# Altium PCB PCB1.PcbDoc (part 2 of 5)
Units mm, origin at the board's own origin, x right, y up, seen from the top; angles counter-clockwise.
Board outline 50 x 50 mm, 6 copper layers (Top Layer, Int1 (GND), Int2 (Sign), Int3 (Sign), Int4 (Sign), Bottom Layer), stack 1.551 mm thick; 306 components, 209 nets, 1178 pads, 764 vias.
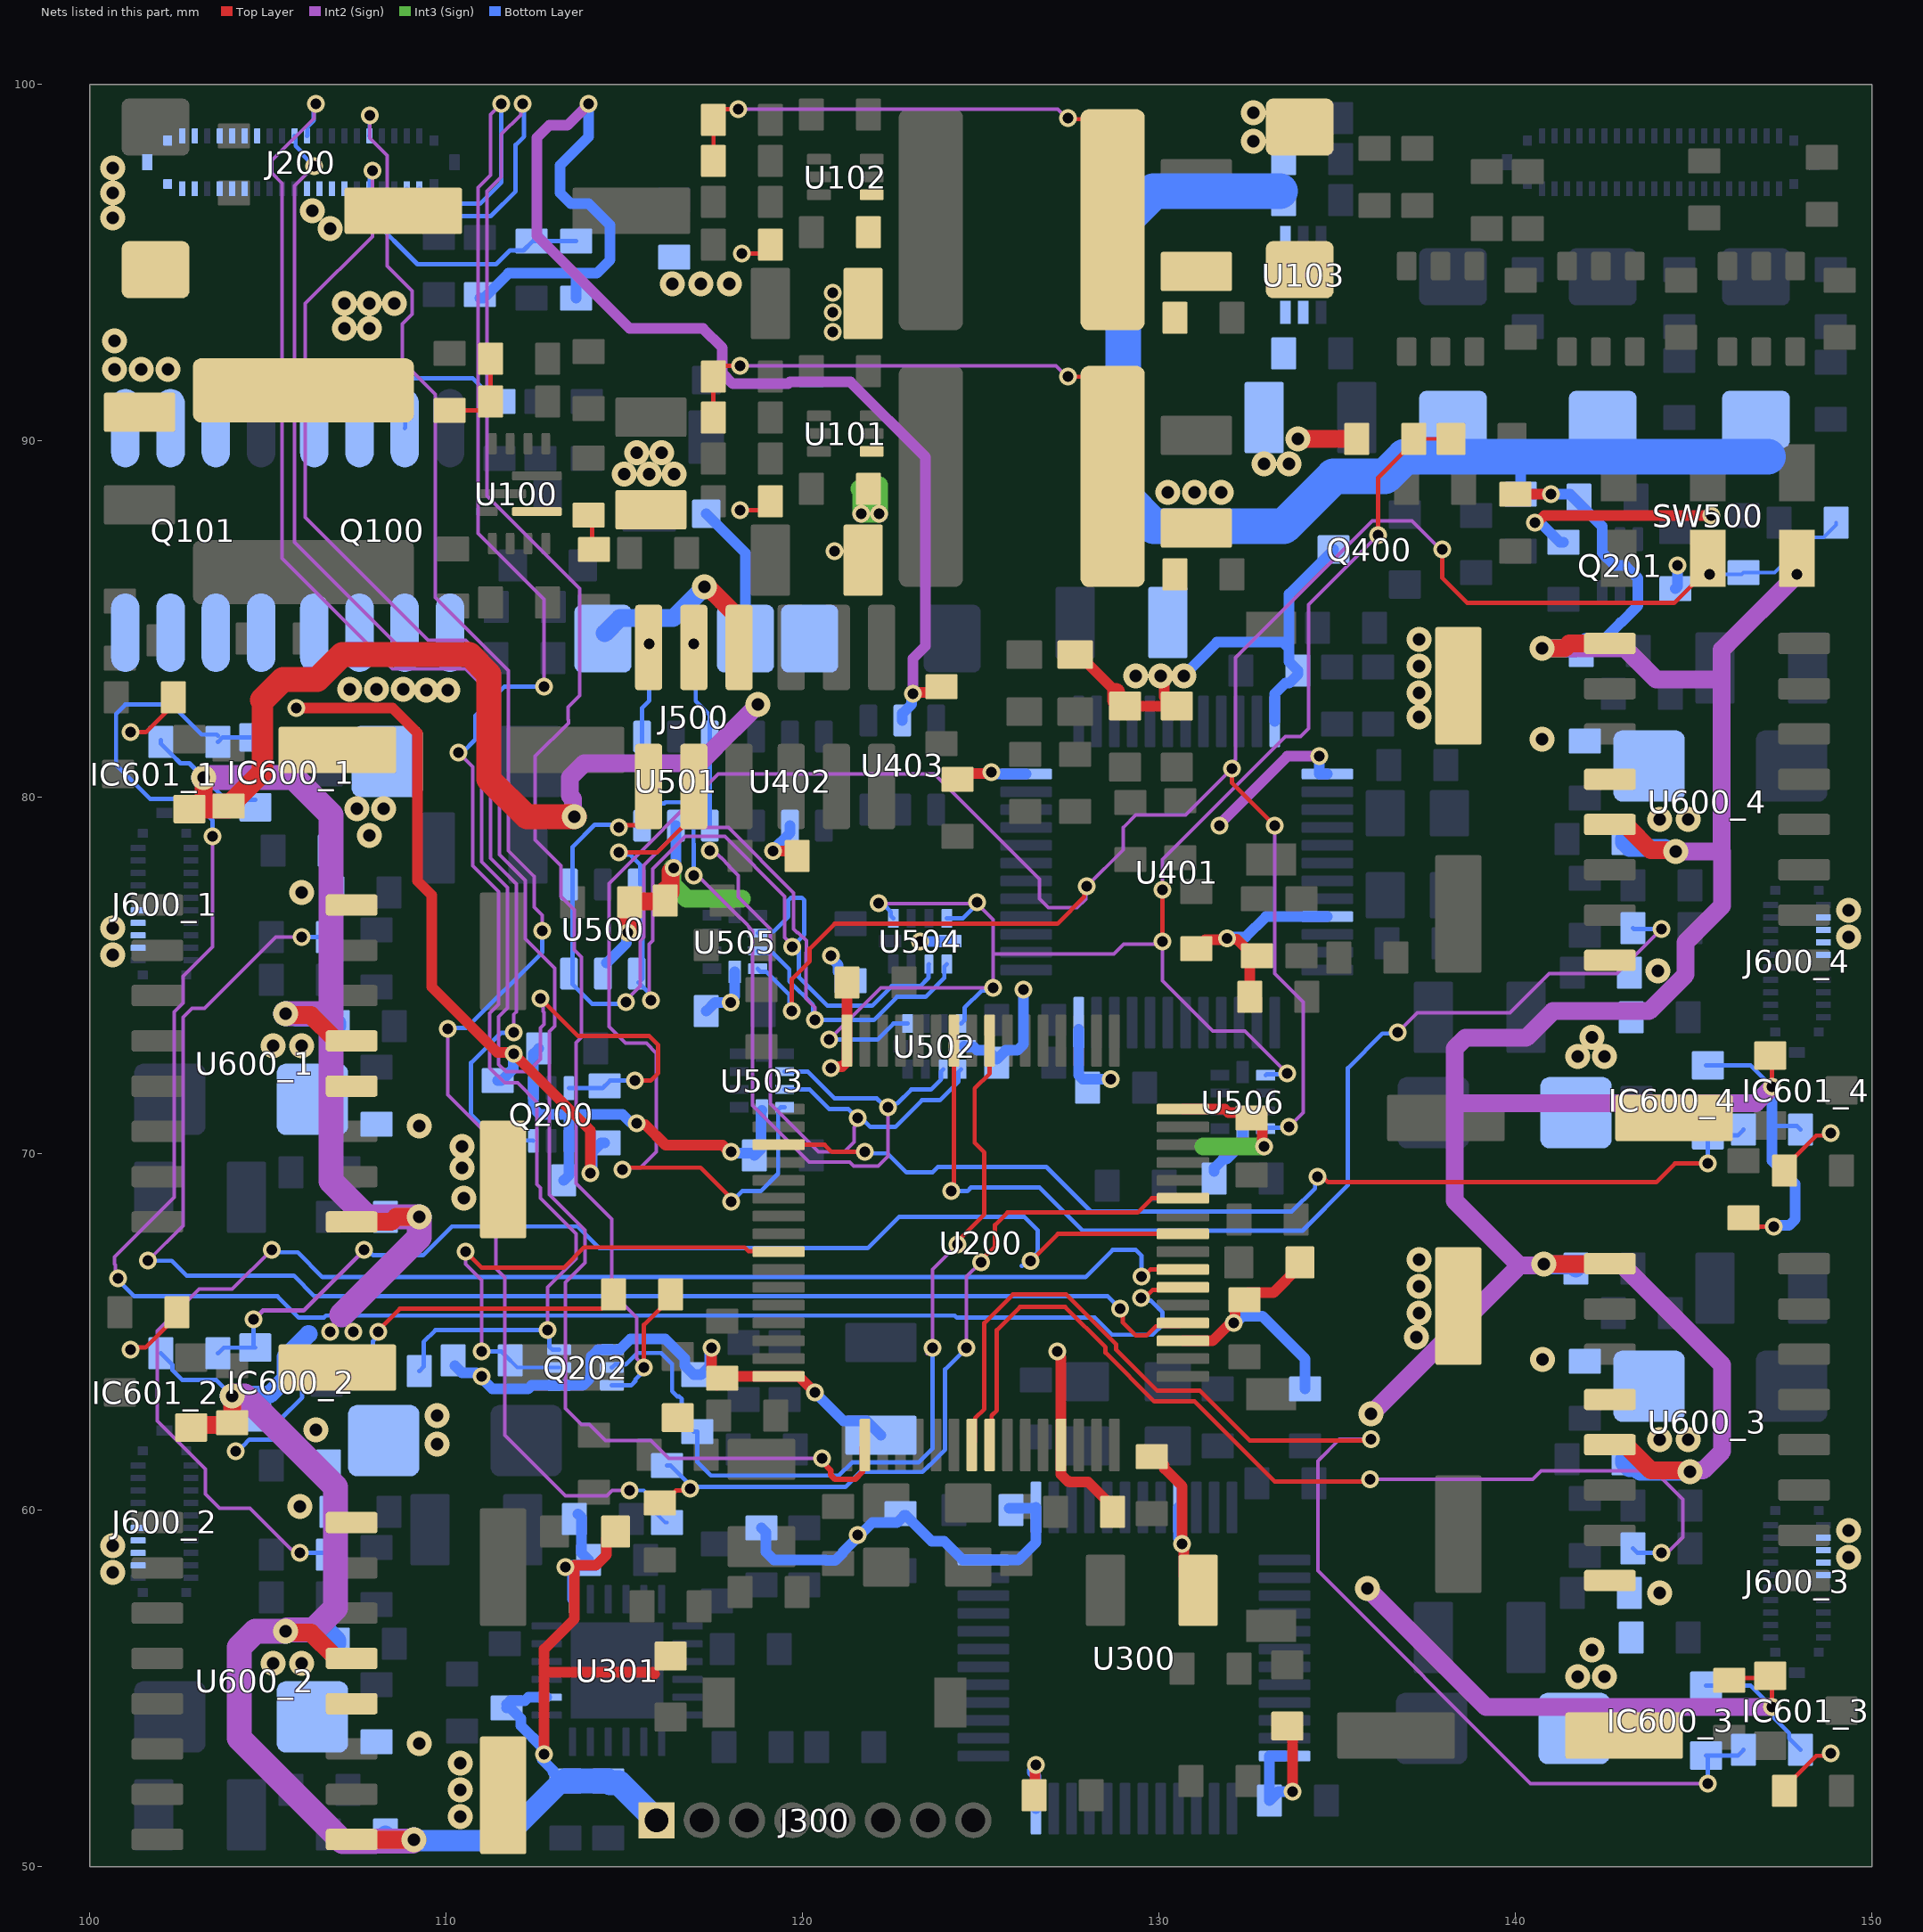
[diagram p6: the nets of this part, all layers, seen from the top]

## Via types
v1: diameter 0.5, hole 0.3, Top Layer to Bottom Layer, tented both sides, 492 vias
v2: diameter 0.7, hole 0.35, Top Layer to Bottom Layer, tented both sides, 270 vias
v3: diameter 0, hole 0.3, Top Layer to Bottom Layer, tented both sides, 2 vias

## Nets (pads, with @x,y where several pads share a name; then routed paths per layer and width w, separated by ;. In a path a pad name is that pad's centre, name@x,y a point inside that pad or via, vN(x,y) a via of type N, cw(c..) or ccw(c..) an arc to the next point about the centre after c; other vN are vias at no path point)
3.3V: C123.2 C124.2 C209.2 C210.2 C211.2 C212.2 C213.2 C214.2 C304.1 C305.2 C306.2 C307.2 C308.2 C310.2 C311.2 C312.2 C313.2 C314.2 C315.2 C403.1 C404.1 C405.2 C406.2 C407.2 C408.2 C409.2 C500.1 C501.1 C503.2 C504.2 C505.2 C506.2 C507.2 C600_1.2 C600_2.2 C600_3.2 C600_4.2 C601_1.2 C601_2.2 C601_3.2 C601_4.2 D203.1 D401.2 D500.2 IC600_1.1 IC600_2.1 IC600_3.1 IC600_4.1 IC601_1.1 IC601_2.1 IC601_3.1 IC601_4.1 J300.1 LED401.1 Q200.1 Q200.4 Q201.1 Q201.4 Q202.1 Q202.4 Q400.3 R202.2 R204.1 R206.1 R210.1 R211.2 R212.1 R213.2 R216.1 R217.2 R311.2 R403.1 R413.2 R502.1 R600_1.2 R600_2.2 R600_3.2 R600_4.2 R605_1.1 R605_2.1 R605_3.1 R605_4.1 SB200.2 SB201.2 SB300.2 SB301.2 SB302.2 SB400.2 SB401.2 SW500.3 U103.2 U103.3 U200.13 U200.19 U200.32 U200.48 U200.64 U300.1 U300.9 U300.24 U300.36 U300.48 U301.8 U301.13 U401.1 U401.9 U401.24 U401.36 U401.48 U402.5 U403.5 U500.5 U501.5 U502.10 U503.10 U504.10 U505.10 U506.10 U600_1.1 U600_1.5 U600_2.1 U600_2.5 U600_3.1 U600_3.5 U600_4.1 U600_4.5 | length 387
  Top Layer w0.12: R605_3.1@146,55.225 146.065,55.29 147.085,55.29 IC601_3.1@147.15,55.355 147.2,55.305 v1(147.2,54.475) ; R605_4.1@146.4,68.25 146.7,67.95 v1(147.25,67.95) ; IC601_4.1@147.085,72.69 IC601_4.1@147.15,72.755 147.2,72.705 v1(147.2,71.875)
  Top Layer w0.3: v1(112.75,53.15) 112.75,55.45 ; v1(113.35,58.4) 113.388,58.438 113.588,58.438 113.6,58.45 ; SB300.2@114.757,59.45 114.501,59.194 114.501,58.751 114.2,58.45 113.6,58.45 ; v1(115.35,70.85) 115.388,70.812 115.588,70.812 116.16,70.24 117.756,70.24 117.946,70.05 v1(118,70.05) ; 115.85,55.4 115.8,55.45 112.75,55.45 ; v1(117.45,64.55) 117.45,63.95 117.7,63.7 C213.2@117.75,63.7 ; C213.2@117.6,63.5 C213.2@117.775,63.675 ; C213.2@117.8,63.75 U200.64@119.33,63.75 119.915,63.75 119.915,63.735 v1(120.35,63.3) ; v1(119.168,78.487) 119.713,78.487 C404.1@119.85,78.35 ; v1(120.793,72.407) 120.831,72.446 121.111,72.446 121.25,72.585 121.25,74.65 C209.2@121.3,74.7 ; v1(123.1,82.9) 123.138,82.938 123.738,82.938 C403.1@123.9,83.1 ; C406.2@124.4,80.5 124.562,80.662 125.262,80.662 v1(125.3,80.7) ; C312.2@126.5,51.9 126.525,51.925 126.525,52.825 v1(126.55,52.85) ; v1(127.15,64.45) 127.15,64.396 127.25,64.296 127.25,61 127.45,60.8 127.493,60.8 127.498,60.795 128.005,60.795 128.7,60.1 C211.2@128.7,60 ; LED401.1@127.65,84 127.75,84 128,83.75 128.65,83.1 SB401.2@128.792,82.958 ; SB401.2@129.05,82.557 SB400.2@130.5,82.557 130.398,82.557 130.142,82.814 130.142,83.2 130.05,83.292 v2(130.05,83.4) ; C314.2@129.8,61.5 129.9,61.5 130.15,61.25 130.15,61.172 130.65,60.672 v1(130.65,59.05) 130.65,58.996 130.7,58.946 130.7,58.15 C315.2@131.1,57.75 ; U200.19@130.67,64.75 131.5,64.75 v1@132,65.25 ; U200.32@130.67,71.25 131.85,71.25 131.942,71.158 132.442,71.158 C210.2@132.6,71 132.65,71 132.9,70.75 132.9,70.304 132.95,70.254 v1(132.95,70.2) ; R413.2@131.05,75.75 131.3,76 131.807,76 131.849,76.042 v1(131.903,76.042) 131.934,76.012 132.188,76.012 132.55,75.65 R403.1@132.55,74.4 ; v1(132.1,65.25) 132.138,65.288 132.138,65.738 132.3,65.9 132.5,66.1 133.209,66.1 133.957,66.848 SB200.2@133.957,66.95 ; SB301.2@133.6,53.943 133.75,53.793 v1(133.75,52.1) ; R210.1@140,88.5 v1(141,88.5) ; 112.75,55.45 112.75,56.1 113.6,56.95 113.6,58.45
  Top Layer w0.5: IC601_2.1@102.85,62.32 102.915,62.385 103.935,62.385 R605_2.1@104,62.45 v2(104,63.2) ; IC601_1.1@103.2,79.75 v2(103.2,80.55) ; v2(105.5,56.6) 105.538,56.562 106.203,56.562 106.875,55.89 107.3,55.89 U600_2.5@107.35,55.84 ; v2(105.5,73.925) 105.538,73.887 106.203,73.887 106.875,73.215 107.3,73.215 U600_1.5@107.35,73.165 ; U600_2.1@107.35,50.76 107.355,50.755 109.095,50.755 v2(109.1,50.75) ; U600_1.1@107.35,68.085 108.456,68.085 108.596,68.225 v2(109.25,68.225) ; v1(115.1,76.2) 115.1,77 115.175,77.075 116.125,77.075 C501.1@116.15,77.1 C501.1@116.15,77.4 ; C501.1@116.17,77.202 116.3,77.332 116.3,77.923 v1(116.389,78.011) ; SB401.2@128.792,82.958 128.792,82.714 128.948,82.557 SB401.2@129.05,82.557 ; v2(133.9,90.05) R502.1@135.55,90.05 ; v2(140.75,84.175) 141.375,84.175 141.515,84.315 U600_4.1@142.65,84.315 ; v2(140.8,66.9) 140.808,66.908 142.643,66.908 U600_3.1@142.65,66.915 ; U600_3.5@142.65,61.835 143.075,61.835 143.8,61.11 144.865,61.11 v2(144.9,61.075) ; U600_4.5@142.65,79.235 142.7,79.185 143.125,79.185 143.797,78.513 144.462,78.513 v2(144.5,78.475)
  Top Layer w0.6: R605_1.1@103.9,79.75 104,79.75 104.05,79.8 104.05,79.9 104.85,80.7 104.85,82.728
  Top Layer w0.7: IC601_1.1@103.2,79.75 R605_1.1@103.9,79.75 ; 104.85,82.728 104.85,82.73 105.42,83.3 106.387,83.3 107.087,84 110.657,84 111.2,83.457 111.2,80.506 112.256,79.45 v2(113.6,79.45)
  Int2 (Sign) w0.3: v1(114,99.45) 113.4,98.85 112.893,98.85 112.55,98.507 112.55,95.75 115.15,93.15 117.207,93.15 117.75,92.607 117.75,91.893 118.043,91.6 119.593,91.6 119.643,91.65 121.342,91.65 123.45,89.542 123.45,84.243 123.1,83.893 v1(123.1,82.9) ; v1(131.7,79.2) 131.7,79.25 133.6,81.15 v1(134.5,81.15)
  Int2 (Sign) w0.5: v2(113.6,79.45) 113.562,79.488 113.562,79.954 113.475,80.041 113.475,80.559 113.866,80.95 117.1,80.95 118.071,81.921 118.076,81.921 118.75,82.595 v2(118.75,82.6) ; v2(135.85,57.8) 139.175,54.475 v1(147.2,54.475) ; v2(135.95,62.7) 140.025,66.775 ; v2(140.75,84.175) 143.075,84.175 143.95,83.3 145.79,83.3 ; v2(144.5,78.475) 145.8,78.475 145.8,76.959 144.775,75.934 144.775,75.025 143.75,74 141.05,74 140.3,73.25 138.593,73.25 138.3,72.957 138.3,71.45 ; v2(144.9,61.075) 144.938,61.113 145.263,61.113 145.8,61.65 145.8,64.075 142.975,66.9 v2(140.8,66.9) 140.762,66.862 140.112,66.862 138.3,68.673 138.3,71.45 ; 145.79,78.475 145.79,83.3 ; v1(147.2,71.875) 146.744,71.419 138.331,71.419 138.3,71.45 ; v1(147.9,86.25) 145.79,84.14 145.79,83.3
  Int2 (Sign) w0.7: v2(103.2,80.55) 105.725,80.55 106.775,79.5 106.775,73.925 ; v2(104,63.2) 104.35,63.2 106.9,60.65 106.9,57.25 106.288,56.638 105.538,56.638 v2(105.5,56.6) 104.65,56.6 104.2,56.15 104.2,53.6 107.1,50.7 107.996,50.7 108.008,50.712 109.062,50.712 v2(109.1,50.75) ; v2(105.5,73.925) 106.775,73.925 ; 107.072,65.475 109.25,67.652 v2(109.25,68.225) 107.775,68.225 106.775,69.225 106.775,73.925
  Int3 (Sign) w0.3: 131.2,70.15 131.25,70.2
  Int3 (Sign) w0.5: v1(116.389,78.011) 116.35,78.011 116.35,77.551 116.751,77.15 118.298,77.15 ; 131.25,70.2 v1(132.95,70.2)
  Bottom Layer w0.12: R600_2.2@102,64.4 102.32,64.08 102.32,63.93 102.6,63.65 103.55,63.65 v2(104,63.2) ; R600_1.2@102,81.6 102,81.5 102.29,81.21 102.546,80.954 102.796,80.954 v2(103.2,80.55) 103.825,79.925 IC600_1.1@104.65,79.925 ; IC600_3.1@145.35,55.075 146.6,55.075 v1(147.2,54.475) 147.261,54.414 147.261,54.164 147.68,53.745 147.68,53.595 R600_3.2@148,53.275 ; IC600_4.1@145.35,72.475 146.6,72.475 v1(147.2,71.875) 147.261,71.814 147.261,71.564 ; 147.2,70.775 147.9,70.775 R600_4.2@148,70.675
  Bottom Layer w0.2: 114.015,63.676 114.015,64.245 114.075,64.305
  Bottom Layer w0.3: R216.1@110.25,64.05 110.45,63.85 110.846,63.85 110.946,63.75 v1(111,63.75) 111,63.699 111.299,63.4 112.301,63.4 112.401,63.5 Q202.1@113.17,63.5 ; R206.1@110.95,94 111.05,94 111.75,94.7 113.65,94.7 ; C304.1@111.7,54.45 111.8,54.45 112.1,54.15 112.1,53.95 v1@112.708,53.342 ; C304.1@111.7,54.55 111.8,54.65 112.207,54.65 112.307,54.75 U301.8@112.825,54.75 ; R202.2@112.6,72.95 112.45,72.8 Q200.1@112.45,71.84 112.45,71.276 112.626,71.1 113.45,71.1 ; v1@112.7,53 113,52.7 113,52.65 C308.2@113.25,52.4 ; R204.1@113.3,69.25 113.45,69.4 Q200.4@113.45,70.36 113.45,71.1 ; Q202.1@113.31,63.5 113.839,63.5 114.015,63.676 ; v1(113.35,58.4) 113.388,58.438 113.538,58.438 v1@113.55,58.45 ; U301.13@113.55,57.5 v1@113.55,58.45 ; R212.1@113.65,94 113.65,94.7 ; C305.2@113.7,59.893 113.8,59.793 113.8,58.8 C306.2@114,58.6 ; v1(114,99.45) 114,98.533 113.2,97.733 113.2,96.95 113.5,96.65 114,96.65 114.6,96.05 114.6,95.076 114.224,94.7 113.65,94.7 ; 114.075,64.305 114.075,64.312 114.263,64.5 Q202.4@114.65,64.5 ; U500.5@114.5,75.35 115.062,75.912 115.062,76.162 v1(115.1,76.2) ; Q202.4@114.79,64.5 114.867,64.5 115.167,64.8 116.15,64.8 116.7,64.25 116.7,64.05 116.95,63.8 117.15,63.8 117.4,64.05 117.4,64.446 117.45,64.496 v1(117.45,64.55) ; v1(115.35,70.85) 115.312,70.888 115.163,70.888 114.951,71.1 113.45,71.1 ; v1(116.389,78.011) 116.389,78.066 116.45,78.127 U501.5@116.45,79.2 ; C506.2@117.3,74 117.545,74.245 v1(117.989,74.245) ; D203.1@117.3,87.95 118.4,86.85 D500.2@118.4,84.45 ; v1(118,70.05) 118.038,70.012 118.588,70.012 C504.2@118.65,69.95 118.835,70.135 118.835,71.185 U503.10@118.86,71.21 ; v1@118,74.226 118,74.31 118.1,74.41 U505.10@118.1,75.1 ; R311.2@118.85,59.5 118.974,59.376 118.974,58.826 119.2,58.6 120.651,58.6 120.663,58.588 120.912,58.588 121.136,58.812 121.136,58.832 121.55,59.246 v1(121.55,59.3) 121.604,59.3 121.954,59.65 122.65,59.65 122.85,59.85 122.9,59.85 123.625,59.125 123.975,59.125 124.5,58.6 126.05,58.6 126.55,59.1 U300.1@126.55,60.05 ; v1(119.168,78.487) 119.168,78.518 119.65,79 U402.5@119.65,79.2 ; v1(120.35,63.3) 121.15,62.5 121.8,62.5 C214.2@122.2,62.1 ; v1(120.8,75.55) 120.8,75.496 121,75.296 121,75.1 121.25,74.85 C505.2@121.35,74.85 ; U403.5@122.8,82.15 122.8,82.35 123.062,82.612 123.062,82.862 v1(123.1,82.9) ; v1(123.3,75.95) 123.305,75.955 124.135,75.955 U504.10@124.14,75.96 ; U502.10@124.54,73.01 124.565,72.985 124.815,72.985 124.9,72.9 125.2,72.9 125.45,72.65 125.7,72.9 126.024,72.9 126.2,73.076 v1(126.2,74.6) ; v1(125.3,80.7) 125.354,80.7 125.404,80.65 U401.36@126.275,80.65 ; C310.2@125.8,60.05 U300.1@126.55,60.05 ; v1@126.45,52.7 126.45,52.646 126.55,52.546 U300.36@126.55,51.625 ; U300.1@126.55,60.075 U300.1@126.55,60.05 ; U401.24@127.75,73.492 127.75,72.2 127.865,72.085 v1(128.65,72.085) ; U300.9@130.55,60.075 130.55,59.204 130.65,59.104 v1(130.65,59.05) ; v2(130.7,83.4) 130.7,83.424 131.626,84.35 133.474,84.35 133.65,84.174 ; C507.2@131.55,69.5 131.55,69.6 131.8,69.85 131.9,69.85 132.325,70.275 ; v1(131.903,76.042) 131.941,76.081 132.431,76.081 133,76.65 U401.9@134.725,76.65 ; v1@132.054,65.25 v1(132.1,65.25) 132.154,65.25 132.344,65.44 132.901,65.44 134.1,64.241 R213.2@134.1,63.4 ; U506.10@132.35,70.61 132.35,70.238 132.912,70.238 v1(132.95,70.2) ; U401.48@133.25,82.125 133.25,82.907 133.543,83.2 133.65,83.2 133.9,83.45 C407.2@133.9,83.55 133.65,83.8 133.65,84.174 ; U300.24@133.525,53.1 133.1,53.1 C313.2@133.1,51.85 133.35,52.1 v1(133.75,52.1) ; v1(134.5,81.15) 134.5,80.65 U401.1@134.725,80.65 ; Q400.3@134.9,86.95 133.65,85.7 133.65,84.174 ; v1(141,88.5) 141.534,88.5 142.434,87.6 Q201.4@142.434,87.24 142.434,86.853 142.787,86.5 143.082,86.5 143.434,86.147 143.434,85.373 142.962,84.9 142.949,84.9 142.499,84.45 141.95,84.45 C601_4.2@141.7,84.2 ; v1(147.2,71.875) 147.2,70.775 147.2,69.8 147.85,69.15 147.85,68.164 147.674,67.988 147.288,67.988 v1(147.25,67.95) ; v1@113.55,58.45 C306.2@113.85,58.45 ; C306.2@113.85,58.45 C306.2@114,58.6 ; C306.2@113.85,58.45 C306.2@114,58.6
  Bottom Layer w0.5: v2(104,63.2) 104.038,63.238 105.038,63.238 105.5,63.7 105.5,64.3 106.14,64.94 106.15,64.94 ; v2(105.5,56.6) 106.7,56.6 106.95,56.35 C600_2.2@106.95,56.25 ; v2(105.5,73.925) 105.538,73.887 105.729,73.887 105.8,73.816 106.8,73.816 106.95,73.666 C600_1.2@106.95,73.575 ; C601_2.2@108.3,50.9 108.412,50.788 109.062,50.788 v2(109.1,50.75) ; C601_1.2@108.3,68.225 v2(109.25,68.225) ; v2(140.75,84.175) C601_4.2@141.7,84.175 ; v2(140.8,66.9) 140.838,66.862 141.613,66.862 C601_3.2@141.7,66.775 ; C600_3.2@143.05,61.425 143.05,61.325 143.2,61.175 143.393,61.175 143.493,61.075 v2(144.9,61.075) ; C600_4.2@143.05,78.825 143.05,78.734 143.2,78.584 v2@144.2,78.584
  Bottom Layer w0.6: v2(109.1,50.75) 109.127,50.75 109.152,50.725 111.575,50.725 113.25,52.4 C308.2@113.35,52.4
  Bottom Layer w0.7: C308.2@113.35,52.4 C307.2@114.55,52.4 114.6,52.35 114.85,52.35 J300.1@115.9,51.3
  other v1: 106.75,65 107.4,65
  other v2: 129.35,83.4 132.95,89.35 133.65,89.35
5V: C103.2 C104.2 C105.2 D200.1 J200.27 J200.28 J200.29 J200.30 J600_1.2 J600_1.3 J600_1.4 J600_1.5 J600_2.2 J600_2.3 J600_2.4 J600_2.5 J600_3.2 J600_3.3 J600_3.4 J600_3.5 J600_4.2 J600_4.3 J600_4.4 J600_4.5 L100.2 R101.2 R201.2 R203.1 R214.1 R215.2 R220.1 R221.2 R604_1.1 R604_2.1 R604_3.1 R604_4.1 | length 51.2
  Top Layer w0.12: v1(101.15,64.5) 101.215,64.565 101.565,64.565 102.45,65.45 R604_2.1@102.45,65.55 ; v1(101.15,81.825) 101.575,81.825 102.16,82.41 102.45,82.7 R604_1.1@102.45,82.875 ; L100.2@105.996,91.414 L100.2@106.528,91.946 ; v1(108.1,65) 108.1,65.05 108.7,65.65 114.36,65.65 114.7,65.99 R220.1@114.7,66.05 ; C104.2@110.1,90.85 111.182,90.85 111.246,90.914 111.246,92.064 C103.2@111.146,92.164 ; R604_3.1@147.55,52.125 147.55,52.225 148.435,53.11 148.785,53.11 v1(148.85,53.175) ; R604_4.1@147.55,69.525 147.55,69.625 148.435,70.51 148.785,70.51 v1(148.85,70.575)
  Top Layer w0.3: v1(105.8,82.5) 106.5,82.5 108.499,82.5 109.2,81.799 109.2,77.65 109.6,77.25 109.6,74.676 111.438,72.838 111.862,72.838 114.05,70.65 v1(114.05,69.45) ; v1(140.55,87.7) 140.604,87.7 140.804,87.9 v1(145.5,87.9)
  Bottom Layer w0.12: 104.3,61.8 104.48,61.98 105.154,61.98 105.334,62.161 105.334,62.534 105.96,63.16 105.96,64.014 106.246,64.3 R221.2@107.81,64.3 ; R221.2@107.65,63.9 107.99,64.24 107.95,64.28 107.95,64.747 108.1,64.897 v1(108.1,65)
  Bottom Layer w0.3: R201.2@111.45,72.05 111.55,72.05 111.884,72.384 111.884,72.784 v1(111.9,72.8) ; v1(114.05,69.45) 114.05,69.504 114.1,69.554 114.1,70.05 114.35,70.3 R203.1@114.45,70.3 ; v1(140.55,87.7) 140.588,87.662 140.738,87.662 141.25,87.15 R215.2@141.35,87.15 ; R214.1@144.484,85.85 144.55,85.916 v1(144.55,86.5)
  other v1: 104.1,61.65
  other v2: 100.65,58.25 149.35,58.675 100.65,59 149.35,59.425 100.65,75.575 149.35,76.075 100.65,76.325 149.35,76.825 100.7,92 101.45,92 102.2,92 100.7,92.8 106.75,95.95 106.25,96.453
5V_mcu: C118.2 C119.2 C120.2 D100.1 L102.2 R114.2 | length 12.6
  Top Layer w0.12: C118.2@117.5,97.849 R114.2@117.5,98.999 117.801,99.3 v1(118.2,99.3) ; v1(127.45,99.05) 127.478,99.022 128.678,99.022 L102.2@128.7,99
  Int2 (Sign) w0.1: v1(118.2,99.3) 127.165,99.3 127.415,99.05 v1(127.45,99.05)
5V_mot: C112.2 C113.2 C114.2 C602_1.2 C602_2.2 C602_3.2 C602_4.2 C604_1.2 C604_2.2 C604_3.2 C604_4.2 D600_1.2 D600_2.2 D600_3.2 D600_4.2 L101.2 R108.2 U600_1.4 U600_2.4 U600_3.4 U600_4.4 | length 14.9
  Top Layer w0.12: C112.2@117.5,90.65 R108.2@117.5,91.8 117.8,92.1 v1(118.25,92.1) ; v1(127.45,91.8) 127.452,91.797 127.891,91.797 128.7,90.989 L101.2@128.7,89
  Int2 (Sign) w0.1: v1(118.25,92.1) 127.115,92.1 127.415,91.8 v1(127.45,91.8)
  other v2: 110.4,51.4 110.4,52.15 110.4,52.9 109.25,53.45 105.15,55.7 105.95,55.7 144.05,61.975 144.85,61.975 140.76,64.225 137.221,64.854 137.3,65.525 137.3,66.275 137.3,67.025 110.5,68.75 110.45,69.6 110.45,70.2 109.25,70.775 105.15,73.025 105.95,73.025 144.05,79.375 144.85,79.375 140.75,81.625 137.3,82.25 137.3,82.925 137.3,83.675 137.3,84.425 130.25,88.55 131,88.55 131.75,88.55
5V_USB: C121.2 C122.2 D100.2 D201.2 D300.2 D400.2 R117.1 R400.2 U103.4 | length 32.7
  Bottom Layer w0.3: R400.2@140.15,88.5 140.15,89.55
  Bottom Layer w1: C122.2@133.4,97 129.85,97 129,96.15 129,88.456 129.856,87.6 133.5,87.6 134.9,89 136.337,89 136.887,89.55 140.15,89.55 147.083,89.55
  other v2: 132.65,98.4 132.65,99.2
12V: C101.2 C102.2 C110.2 C111.2 C603_1.2 C603_2.2 C603_3.2 C603_4.2 C605_1.1 C605_2.1 C605_3.1 C605_4.1 D601_1.2 D601_2.2 D601_3.2 D601_4.2 J200.4 J200.5 J200.6 J200.7 J200.35 J200.36 J200.37 Q100.D Q101.D R100.1 R107.1 R601_1.2 R601_2.2 R601_3.2 R601_4.2 U100.1 U101.1 U600_1.8 U600_2.8 U600_3.8 U600_4.8 | length 4.1
  Top Layer w0.12: C101.2@113.996,87.914 114.096,87.814 R100.1@114.096,86.964 ; R100.1@114.05,86.95 R100.1@114.15,86.85 ; v1(118.25,88.05) 118.85,88.05 R107.1@119.1,88.3
  Int3 (Sign) w0.5: 121.6,88.65 121.65,88.6 v1(121.65,87.95) v1(122.15,87.95) 122.15,88.75
  other v1: 120.9,86.9
  other v2: 141.75,55.325 142.5,55.325 142.15,56.075 144.05,57.675 105.9,60.1 109.75,61.85 106.35,62.25 109.75,62.65 141.75,72.725 142.5,72.725 142.15,73.272 143.996,75.129 105.95,77.325 107.85,78.925 107.5,79.675 108.25,79.675 109.45,83 110.05,83 107.3,83.025 108.05,83.025 108.8,83.025 114.996,89.064 115.696,89.064 116.396,89.064 115.346,89.664 116.046,89.664 107.15,93.15 107.85,93.15 107.15,93.85 107.85,93.85 108.55,93.85
12V_in: C107.2 C108.2 C116.2 C117.2 J200.1 J200.2 J200.39 J200.40 J200.MP3 J200.MP4 J200.MP6 Q100.S Q101.S R109.2 R113.1 U102.1 | length 5.1
  Top Layer w0.12: v1(118.3,95.25) 118.851,95.25 R113.1@119.1,95.499
  Bottom Layer w0.12: Q100.S@108.839,90.356 108.852,90.369 108.852,91.602 109,91.75 110.75,91.75 111.4,91.1 R109.2@111.5,91.1
  other v1: 120.85,93.05 120.85,93.6 120.85,94.15
  other v2: 116.35,94.4 117.15,94.4 117.95,94.4 100.65,96.25 100.65,96.95 100.65,97.65
Angle_3.3V: R208.1 R209.1 U200.27 | length 22
  Top Layer w0.12: R209.1@116,60.2 116.1,60.2 116.45,60.55 116.8,60.55 v1(116.85,60.6) ; v1(125.004,66.952) 125.004,67.004 125.4,67.4 125.4,68 125.75,68.35 129.4,68.35 129.8,68.75 U200.27@130.67,68.75
  Int2 (Sign) w0.1: v1(124.6,64.55) 124.6,66.548 v1(125.004,66.952)
  Bottom Layer w0.12: R208.1@116.2,61.25 116.3,61.25 116.85,60.7 v1@116.85,60.65 ; v1(116.85,60.6) 116.9,60.65 121.2,60.65 121.62,61.07 123.367,61.07 123.547,61.25 123.55,61.25 124,61.7 124,63.95 v1(124.6,64.55)
Angle_5V: J200.16 R208.2 | length 47.8
  Int2 (Sign) w0.1: v1(107.857,99.13) 107.857,98.493 108.35,98 108.35,94.9 109.05,94.2 109.05,93.55 108.775,93.275 108.775,92.225 109.7,91.3 109.7,85.6 111.75,83.55 111.75,78.497 112.475,77.772 112.475,77.557 112.475,76.911 112.7,76.686 v1(112.7,76.25) ; v1(110.05,73.5) 110.05,71.654 111.4,70.304 111.4,66.774 111.65,66.524 111.65,62.1 113.35,60.4 114.504,60.4 114.654,60.55 v1(115.15,60.55)
  Bottom Layer w0.1: v1(115.15,60.55) 115.55,60.55 115.85,60.25 115.85,59.95 116.15,59.65 R208.2@116.2,59.65
  Bottom Layer w0.12: J200.16@107.85,98.553 107.854,98.557 107.854,99.126 v1(107.857,99.13) ; v1(110.05,73.5) 110.08,73.53 110.58,73.53 112.7,75.65 v1(112.7,76.25)
Brake1_3.3V: Q202.5 R217.1 U200.40 | length 24.7
  Top Layer w0.12: v1(124.35,67.45) 124.35,67.553 125.1,68.303 125.1,70.034 124.83,70.304 124.83,71.83 125.25,72.25 U200.40@125.25,73.17
  Int2 (Sign) w0.1: v1@123.496,64.396 v1(123.65,64.55) 123.65,66.75 v1(124.35,67.45)
  Bottom Layer w0.12: Q202.5@114.65,64 114.739,64.089 115.039,64.089 115.36,64.41 116.031,64.41 116.34,64.101 116.34,63.336 116.486,63.19 116.54,63.19 116.61,63.12 116.61,62.54 116.95,62.2 R217.1@117.05,62.2 117.05,61.35 117.43,60.97 121.02,60.97 121.39,61.34 123.255,61.34 123.435,61.52 123.438,61.52 123.65,61.732 v1(123.65,64.55)
Brake1_5V: J200.21 Q202.3 R221.1 | length 49.6
  Int2 (Sign) w0.1: v1(110.35,81.25) 110.75,80.85 110.75,78.083 111.475,77.358 111.475,74.192 111.225,73.942 111.225,72.406 111.645,71.986 112.005,71.986 112.55,71.441 112.55,69.146 112.65,69.046 112.65,68.75 113.65,67.75 113.65,67.049 112.85,66.249 v1(112.85,65.05) ; v1(111.55,99.45) 111.25,99.15 111.25,97.452 110.9,97.102 110.9,87.4 112.75,85.55 v1(112.75,83.1)
  Bottom Layer w0.12: R221.1@109.25,63.9 109.37,64.02 109.37,64.72 109.7,65.05 v1(112.85,65.05) 112.895,65.005 112.895,64.59 112.985,64.5 Q202.3@113.17,64.5 ; J200.21@109.25,97.073 109.26,97.063 109.26,96.84 109.45,96.65 110.95,96.65 111.55,97.25 v1(111.55,99.45) ; v1(110.35,81.25) 110.45,81.25 110.821,81.621 110.821,82.289 111.632,83.1 v1(112.75,83.1)
Brake2_3.3V: Q202.2 R216.2 U200.57 | length 14.6
  Top Layer w0.12: v1(110.55,67.25) 111,66.8 113.3,66.8 113.87,67.37 118.38,67.37 118.485,67.265 119.315,67.265 U200.57@119.33,67.25
  Int2 (Sign) w0.1: v1(110.55,67.25) 110.55,66.9 111,66.45 v1(111,64.45)
  Bottom Layer w0.1: R216.2@111.8,64.2 112,64 Q202.2@113.17,64
  Bottom Layer w0.12: v1(111,64.45) 111.55,64.45 R216.2@111.8,64.2
Brake2_5V: J200.22 Q202.6 R220.2 | length 48.8
  Top Layer w0.12: v1(115.55,64) 115.55,65.2 116.3,65.95 R220.2@116.3,66.05
  Int2 (Sign) w0.1: v1(112.15,99.45) 112.092,99.392 112.092,99.142 111.55,98.6 111.55,97.398 111.15,96.998 111.15,88.45 113.75,85.85 113.75,82.851 113.425,82.526 113.425,82.174 113.433,82.166 113.433,82.083 112.5,81.15 112.5,78.808 113.225,78.083 113.225,77.247 113.225,77.221 113.6,76.846 113.6,75.72 113.8,75.52 113.8,73.27 113.65,73.12 113.65,69.164 114.65,68.164 114.65,66.1 115.35,65.4 115.35,64.259 115.55,64.059 v1(115.55,64)
  Bottom Layer w0.12: J200.22@108.9,97.073 108.9,96.75 109.346,96.304 111.254,96.304 111.95,97 111.95,98.3 112.185,98.535 112.185,99.415 v1(112.15,99.45) ; Q202.6@114.65,63.5 115.192,63.5 115.308,63.616 115.308,63.655 115.55,63.897 v1(115.55,64)
Button: C204.1 J200.25 R212.2 U200.2 | length 57.8
  Top Layer w0.16: v1(120.55,61.45) 120.55,61.358 120.795,61.113 120.795,60.978 120.908,60.865 121.473,60.865 121.68,61.072 121.68,61.76 U200.2@121.75,61.83
  Int2 (Sign) w0.1: v1(107.929,97.579) 107.929,95.729 106.05,93.85 106.05,87.85 109.5,84.4 110.546,84.4 111.5,83.446 111.5,78.394 112.225,77.669 112.225,76.025 113.05,75.2 113.05,73.581 112.9,73.431 112.9,69.736 112.9,68.854 113.9,67.854 113.9,66.946 113.35,66.396 113.35,62.854 113.802,62.402 114.021,62.402 114.473,61.95 115.75,61.95 116.25,61.45 v1(120.55,61.45)
  Bottom Layer w0.12: v1(107.929,97.579) 107.929,97.487 107.86,97.417 107.86,97.083 J200.25@107.85,97.073 107.85,96.3 109.196,94.954 111.404,94.954 111.791,95.341 112.171,95.341 112.43,95.6 R212.2@113.65,95.6
Connect_det_1: IC600_1.2 R600_1.1 U200.22 | length 55.8
  Top Layer w0.12: v1(129.5,65.95) 129.592,65.95 129.822,66.18 130.6,66.18 U200.22@130.67,66.25
  Int2 (Sign) w0.1: v1(100.8,66.5) 100.723,66.577 100.723,66.885 100.7,66.908 100.7,67.1 102.375,68.775 102.375,73.98 102.625,74.23 102.625,74.975 103.45,75.8 v1(103.45,78.9)
  Bottom Layer w0.12: v1(100.8,66.5) 100.8,66.45 101.25,66 105.268,66 105.868,65.4 106.57,65.4 106.63,65.46 124.27,65.46 124.33,65.4 128.202,65.4 128.682,64.92 129.82,64.92 130.1,65.2 130.1,65.55 129.773,65.877 129.573,65.877 v1(129.5,65.95) ; v1(103.45,78.9) 103.45,79.35 102.85,79.95 101.7,79.95 100.74,80.91 100.74,82.34 101,82.6 102.3,82.6 103.14,81.76 103.565,81.76 R600_1.1@103.6,81.725 ; R600_1.1@103.6,81.55 103.73,81.68 IC600_1.2@104.65,81.68
Connect_det_2: IC600_2.2 R600_2.1 U200.25 | length 31.7
  Top Layer w0.12: v1(126.4,66.99) 127.16,67.75 U200.25@130.67,67.75
  Int2 (Sign) w0.12: v1(104.6,65.35) 104.609,65.35 104.859,65.6 106,65.6 v1(107.7,67.3)
  Bottom Layer w0.12: R600_2.1@103.6,64.4 103.76,64.56 IC600_2.2@104.65,64.56 ; IC600_2.2@104.6,64.61 v1(104.6,65.35) ; v1(107.7,67.3) 107.803,67.3 107.953,67.15 109.35,67.15 110.16,67.96 113.69,67.96 114.3,67.35 121.83,67.35 122.71,68.23 126.22,68.23 126.6,67.85 126.6,67.25 126.4,67.05 v1(126.4,66.99) 126.297,66.99 126.157,66.85 126.14,66.85
Connect_det_3: IC600_3.2 R600_3.1 U200.8 | length 36.6
  Top Layer w0.12: U200.8@124.75,61.83 124.84,61.92 124.84,62.58 125.1,62.84 125.1,65.25 125.9,66.05 127.4,66.05 128.8,64.65 128.8,64.502 129.952,63.35 131.15,63.35 132.55,61.95 135.915,61.95 v1(135.95,61.985)
  Int2 (Sign) w0.1: v1(135.95,61.985) 135.06,61.985 134.453,61.378 134.453,58.299 140.427,52.325 145.393,52.325 v1(145.397,52.328)
  Bottom Layer w0.12: IC600_3.2@145.35,53.115 146.24,53.115 R600_3.1@146.4,53.275 ; v1(145.397,52.328) 145.397,53.062 IC600_3.2@145.4,53.065
Connect_det_4: IC600_4.2 R600_4.1 U200.51 | length 29.7
  Top Layer w0.12: U200.51@119.33,70.25 120.62,70.25 120.82,70.05 v1(121.75,70.05) ; v1(134.45,69.35) 134.523,69.277 134.666,69.277 134.743,69.2 143.95,69.2 144.475,69.725 v1(145.4,69.725)
  Bottom Layer w0.12: v1(121.75,70.05) 121.789,70.011 122.38,70.011 122.916,69.475 123.643,69.475 123.798,69.63 126.834,69.63 128.084,68.38 133.73,68.38 134.377,69.027 134.377,69.277 v1(134.45,69.35) ; IC600_4.2@145.35,70.515 146.24,70.515 R600_4.1@146.4,70.675 ; v1(145.4,69.725) IC600_4.2@145.4,70.465
Connect_LED_1: R606_1.2 U200.20 | length 42.5
  Top Layer w0.12: v1(128.908,65.656) 128.98,65.583 128.98,65.27 129.35,64.9 129.65,64.9 129.91,65.16 130.58,65.16 U200.20@130.67,65.25
  Int2 (Sign) w0.1: v1(101.64,66.998) 102.625,67.983 102.625,73.826 102.874,74.075 103.226,74.075 105.226,76.075 v1(105.95,76.075)
  Bottom Layer w0.12: v1(101.64,66.998) 102.302,66.998 102.72,66.58 105.727,66.58 106.307,66 128.564,66 v1(128.908,65.656) ; v1(105.95,76.075) R606_1.2@106.7,76.075
Connect_LED_2: R606_2.2 U200.23 | length 40.4
  Top Layer w0.12: v1(129.508,66.55) 129.551,66.55 129.751,66.75 U200.23@130.67,66.75
  Int2 (Sign) w0.1: v1(105.105,67.305) 104,66.2 103.068,66.2 101.9,65.032 101.9,62.5 103.25,61.15 103.25,60.45 103.65,60.05 104.5,60.05 105.642,58.908 105.684,58.908 105.792,58.8 v1(105.9,58.8)
  Bottom Layer w0.12: v1(105.105,67.305) 105.178,67.232 105.838,67.232 106.53,66.54 127.94,66.54 128.7,67.3 129.35,67.3 129.508,67.142 v1(129.508,66.55) ; v1(105.9,58.8) 106.65,58.8 R606_2.2@106.7,58.75
Connect_LED_3: R606_3.2 U200.9 | length 28.1
  Top Layer w0.12: U200.9@125.25,61.83 125.304,61.884 125.304,62.654 125.45,62.8 125.45,65.05 126.1,65.7 127.368,65.7 128.5,64.568 128.5,64.418 129.868,63.05 131,63.05 133.25,60.8 135.862,60.8 v1(135.927,60.865)
  Int2 (Sign) w0.1: v1(135.927,60.865) 140.482,60.865 140.717,61.1 143.9,61.1 144.7,60.3 144.7,59.243 144.281,58.825 144.125,58.825 v1(144.1,58.8)
  Bottom Layer w0.12: R606_3.2@143.3,58.925 143.425,58.8 v1(144.1,58.8)
Connect_LED_4: R606_4.2 U200.42 | length 31
  Top Layer w0.12: v1(124.177,68.95) 124.25,69.023 U200.42@124.25,73.17
  Int2 (Sign) w0.1: v1(136.7,73.4) 137.25,73.95 139.846,73.95 140.946,75.05 142.85,75.05 v1(144.1,76.3)
  Bottom Layer w0.12: v1(124.177,68.95) 124.622,68.95 124.722,69.05 126.65,69.05 127.86,67.84 133.886,67.84 134.022,67.84 135.3,69.118 135.3,72.4 136.27,73.37 136.67,73.37 v1(136.7,73.4) ; R606_4.2@143.3,76.325 143.325,76.3 v1(144.1,76.3)
Debug_enable: R502.2 SB500.2 U502.6 U502.9 U504.6 U504.9 U506.6 | length 46.5
  Top Layer w0.1: R502.2@137.3,90.05 SB500.2@138.193,90.05 SB500.2@138.343,90.05
  Top Layer w0.12: v1(130.1,75.95) v1(130.1,77.4) ; v1(136.15,87.35) 136.15,88.966 136.844,89.66 136.86,89.66 137.15,89.95 R502.2@137.15,90.05
  Int2 (Sign) w0.1: v1@120.775,73.225 122.2,74.65 v1(125.35,74.65) ; v1(122.131,77.031) 122.148,77.015 124.9,77.015 125.35,76.565 125.35,75.6 ; 125.4,75.6 128.739,75.6 129.013,75.873 130.062,75.873 v1@130.1,75.835 ; v1(130.1,75.95) 130.1,75.873 v1@130.1,75.835 ; v1(130.1,77.4) 130.1,78.25 133.55,81.7 133.966,81.7 134.2,81.934 134.2,82.266 ; v1(133.6,72.25) 132.412,73.438 131.512,73.438 130.1,74.85 v1@130.1,75.835 ; 134.199,82.266 134.199,82.349 ; 134.2,82.35 134.2,85.4 v1(136.15,87.35) ; v1(125.35,74.65) 125.35,74.7 125.35,75.6 ; v1(125.35,74.65) 125.35,75.6
  Bottom Layer w0.12: v1(120.75,73.2) 122.1,73.2 122.55,73.65 U502.6@122.95,73.65 ; v1(122.131,77.031) 122.196,76.966 122.299,76.966 122.48,76.785 122.48,76.67 U504.6@122.55,76.6 ; U504.9@124.05,76.6 124.495,76.6 124.9,77.005 v1(124.9,77.05) ; U502.9@124.45,73.65 124.544,73.744 124.544,74.094 125.027,74.577 125.277,74.577 v1(125.35,74.65) ; U506.6@132.99,72.2 133.015,72.225 133.575,72.225 v1(133.6,72.25)
Debug_select: C502.2 R500.2 SW500.2 U503.9 U505.9 U506.9 | length 87.5
  Top Layer w0.12: v1(114.95,69.55) 115.01,69.61 117.14,69.61 118,68.75 v1(118,68.65) ; v1(119.7,74) 119.7,74.9 120.2,75.4 120.2,75.75 120.9,76.45 127.15,76.45 127.905,77.205 127.905,77.435 v1(127.97,77.5) ; v1(132.05,80.8) 132.05,80.4 v1(133.25,79.2) ; v1(137.95,86.95) 137.95,86.15 138.65,85.45 144.45,85.45 145.25,86.25 v1(145.45,86.25)
  Int2 (Sign) w0.1: v1(114.95,69.55) 115,69.6 115.45,69.6 115.9,70.05 115.9,72.816 115.616,73.1 115.031,73.1 114.569,73.561 114.569,77.584 117.635,80.65 123.7,80.65 126.65,77.7 126.65,77.15 126.9,76.9 127.7,76.9 127.945,77.145 v1@127.945,77.44 ; v1(127.97,77.5) 129.002,78.532 129.002,79.152 129.35,79.5 130.75,79.5 132.127,80.877 132.127,81.035 132.15,81.059 132.15,83.916 135.984,87.75 137.1,87.75 137.9,86.95 v1(137.95,86.95) ; v1(133.25,79.2) 133.25,75.05 134.048,74.252 134.048,71.148 v1(133.65,70.75)
  Bottom Layer w0.1: v1(145.45,86.25) 146.35,86.25 C502.2@146.4,86.3 147.275,86.3 148.265,87.29 148.65,87.29 149,87.64 R500.2@149,87.7
  Bottom Layer w0.12: v1(118,68.65) 118.008,68.65 118.308,68.95 118.824,68.95 119.315,69.441 119.315,71.23 119.385,71.3 U503.9@119.5,71.3 ; U505.9@118.74,75.19 118.83,75.1 118.986,75.1 119.635,74.451 119.635,74.065 v1(119.7,74) ; U506.9@132.99,70.7 133.015,70.725 133.625,70.725 v1(133.65,70.75)
Display_RX_5V: J200.11 Q200.3 R203.2 | length 43
  Top Layer w0.12: v1(112.65,74.35) 113.7,73.3 115.7,73.3 115.95,73.05 115.95,72.259 115.741,72.05 v1(115.3,72.05)
  Int2 (Sign) w0.1: v1(106.346,99.45) 106.29,99.394 106.29,99.04 105.45,98.2 105.447,98.2 105.111,97.864 105.111,97.511 105.4,97.222 105.4,86.7 108.5,83.6 110.55,83.6 111,83.15 111,78.187 111.725,77.462 111.725,74.088 111.475,73.838 111.475,72.509 111.684,72.3 112.3,72.3 112.65,72.65 112.65,73.534 112.75,73.634 112.75,73.966 112.727,73.989 112.727,74.273 v1(112.65,74.35)
  Bottom Layer w0.12: J200.11@106.1,98.553 106.11,98.563 106.11,98.81 106.285,98.985 106.285,99.389 v1(106.346,99.45) ; Q200.3@113.45,71.84 114.39,71.84 R203.2@114.45,71.9 114.6,72.05 v1(115.3,72.05)
Display_TX_5V: J200.10 Q200.6 R201.1 | length 34.3
  Int2 (Sign) w0.1: v1(106.3,97.7) 105.75,97.15 105.75,87.15 108.876,84.024 110.55,84.024 111.25,83.324 111.25,78.29 111.975,77.565 111.975,73.985 111.9,73.91 v1(111.9,73.4)
  Bottom Layer w0.12: J200.10@105.75,98.553 105.777,98.526 105.777,98.273 105.949,98.101 105.949,98.051 v1(106.3,97.7) ; v1(111.9,73.4) 111.891,73.391 111.541,73.391 110.7,72.55 110.7,71.1 111.35,70.45 R201.1@111.45,70.45 111.526,70.374 112.436,70.374 Q200.6@112.45,70.36
EXT_RST: J500.5 U500.3 U500.4 U504.2 U505.7 | length 27.1
  Top Layer w0.12: v1(114.85,78.45) 115.92,78.45 116.95,79.48 J500.5@116.95,80.3
  Int2 (Sign) w0.1: v1(115.75,74.3) 115.7,74.35 115.7,75.881 115.8,75.981 115.8,77.989 116.711,78.9 117.816,78.9 119.5,77.216 119.5,76.066 119.706,75.86 v1(119.706,75.807)
  Bottom Layer w0.12: v1(114.85,78.45) 114.911,78.389 115.161,78.389 115.45,78.1 115.45,77.55 115.51,77.49 115.51,74.91 115.4,74.8 115.4,74.799 115.677,74.521 115.677,74.373 v1(115.75,74.3) ; U505.7@118.74,76.19 118.785,76.235 119.185,76.235 119.6,76.65 119.6,77.106 119.674,77.18 119.98,77.18 120.05,77.11 120.05,76.151 v1(119.706,75.807) ; v1@119.9,75.807 119.9,74.95 120.7,74.15 121.95,74.15 122.5,74.7 123.3,74.7 123.534,74.934 123.534,75.304 U504.2@123.55,75.32
EXT_SWO: J500.4 U500.1 U500.6 U504.1 U505.8 | length 29.4
  Top Layer w0.12: v1(114.85,79.15) 114.912,79.212 115.381,79.212 115.68,79.511 J500.4@115.68,80.3
  Int2 (Sign) w0.1: v1@115.05,74.3 115.45,74.7 115.45,75.984 115.55,76.084 115.55,78.092 116.608,79.15 117.919,79.15 119.75,77.319 119.75,76.3 119.843,76.207 119.872,76.207 120.106,75.973 120.106,75.641 120.1,75.635 120.1,74.35 120.35,74.1 v1(120.35,73.75)
  Int2 (Sign) w0.12: v1(115.05,74.25) v1@115.05,74.3
  Bottom Layer w0.12: v1(114.85,79.15) 114.758,79.15 114.678,79.23 114.172,79.23 113.55,78.608 113.55,74.75 114.1,74.2 115,74.2 v1(115.05,74.25) ; U505.8@118.74,75.69 118.805,75.625 119.175,75.625 119.63,75.17 119.63,74.838 120.288,74.18 120.288,73.812 v1(120.35,73.75) ; v1@120.594,73.75 122,73.75 122.65,74.4 123.45,74.4 123.98,74.93 123.98,75.25 U504.1@124.05,75.32
EXT_TCK: J500.2 U501.3 U501.4 U502.1 U503.8 | length 23.2
  Top Layer w0.12: J500.2@116.95,84.2 v1(116.95,84.3)
  Int2 (Sign) w0.1: v1(117.4,78.5) 117.508,78.5 117.708,78.3 117.716,78.3 117.95,78.066 117.95,78.058 118.2,77.808 118.2,77.2 119.1,76.3 119.1,71.4 120.45,70.05 121.166,70.05 121.45,70.334 121.45,70.741 121.473,70.765 121.473,70.923 v1(121.55,71)
  Bottom Layer w0.12: v1(116.95,84.3) 117.004,84.246 117.004,82.696 117.4,82.3 U501.4@117.4,79.2 ; U503.8@119.5,71.8 120.2,71.8 120.75,71.25 121.291,71.25 121.491,71.05 121.603,71.05 121.903,70.75 122.6,70.75 123.35,71.5 123.85,71.5 124.375,72.025 124.375,72.295 U502.1@124.45,72.37
EXT_TMS: J500.3 U501.1 U501.6 U502.2 U503.7 | length 27.5
  Top Layer w0.12: J500.3@115.68,84.2 115.7,84.22 v1(115.7,84.3)
  Int2 (Sign) w0.1: v1(116.95,77.8) 117.058,77.8 118.258,76.6 118.266,76.6 118.429,76.436 118.5,76.366 118.5,76.358 118.6,76.258 118.6,74.7 118.6,71.35 120.181,69.769 121.316,69.769 121.435,69.65 122.116,69.65 122.4,69.934 v1(122.4,71.3)
  Bottom Layer w0.12: U501.6@115.5,79.2 U501.6@115.5,79.45 ; v1(115.7,84.3) 115.7,82.708 115.5,82.508 U501.1@115.5,81.7 U501.6@115.5,79.45 ; v1(116.95,77.8) 116.95,78.69 116.94,78.7 116.94,79.71 116.79,79.86 116.15,79.86 116.12,79.83 115.88,79.83 115.688,79.638 115.688,79.59 115.549,79.45 U501.6@115.5,79.45 ; U503.7@119.5,72.3 120.15,72.3 120.9,71.55 122.084,71.55 122.237,71.398 122.257,71.398 122.326,71.466 122.419,71.373 122.576,71.373 122.612,71.409 122.659,71.409 123.05,71.8 123.6,71.8 123.885,72.085 123.885,72.305 U502.2@123.95,72.37
EXT_VCC: D500.1 J500.1 | length 5.5
  Top Layer w0.5: v2(117.25,85.9) 117.288,85.862 117.378,85.862 117.732,85.508 118.22,85.02 J500.1@118.22,84.2
  Bottom Layer w0.5: D500.1@114.45,84.6 114.877,85.027 116.377,85.027 v2(117.25,85.9)